# Altium PCB HYDRA_V3_LINK_V2.PcbDoc (part 1 of 2)
Units mm, origin at the board's own origin, x right, y up, seen from the top; angles counter-clockwise.
Board outline 50 x 45 mm, 6 copper layers (Top Layer, GND_1, SIG, PWR, GND_2, Bottom Layer), stack 0.816 mm thick; 161 components, 98 nets, 576 pads, 136 vias.
Unrouted connection lines stored in the file: 1.
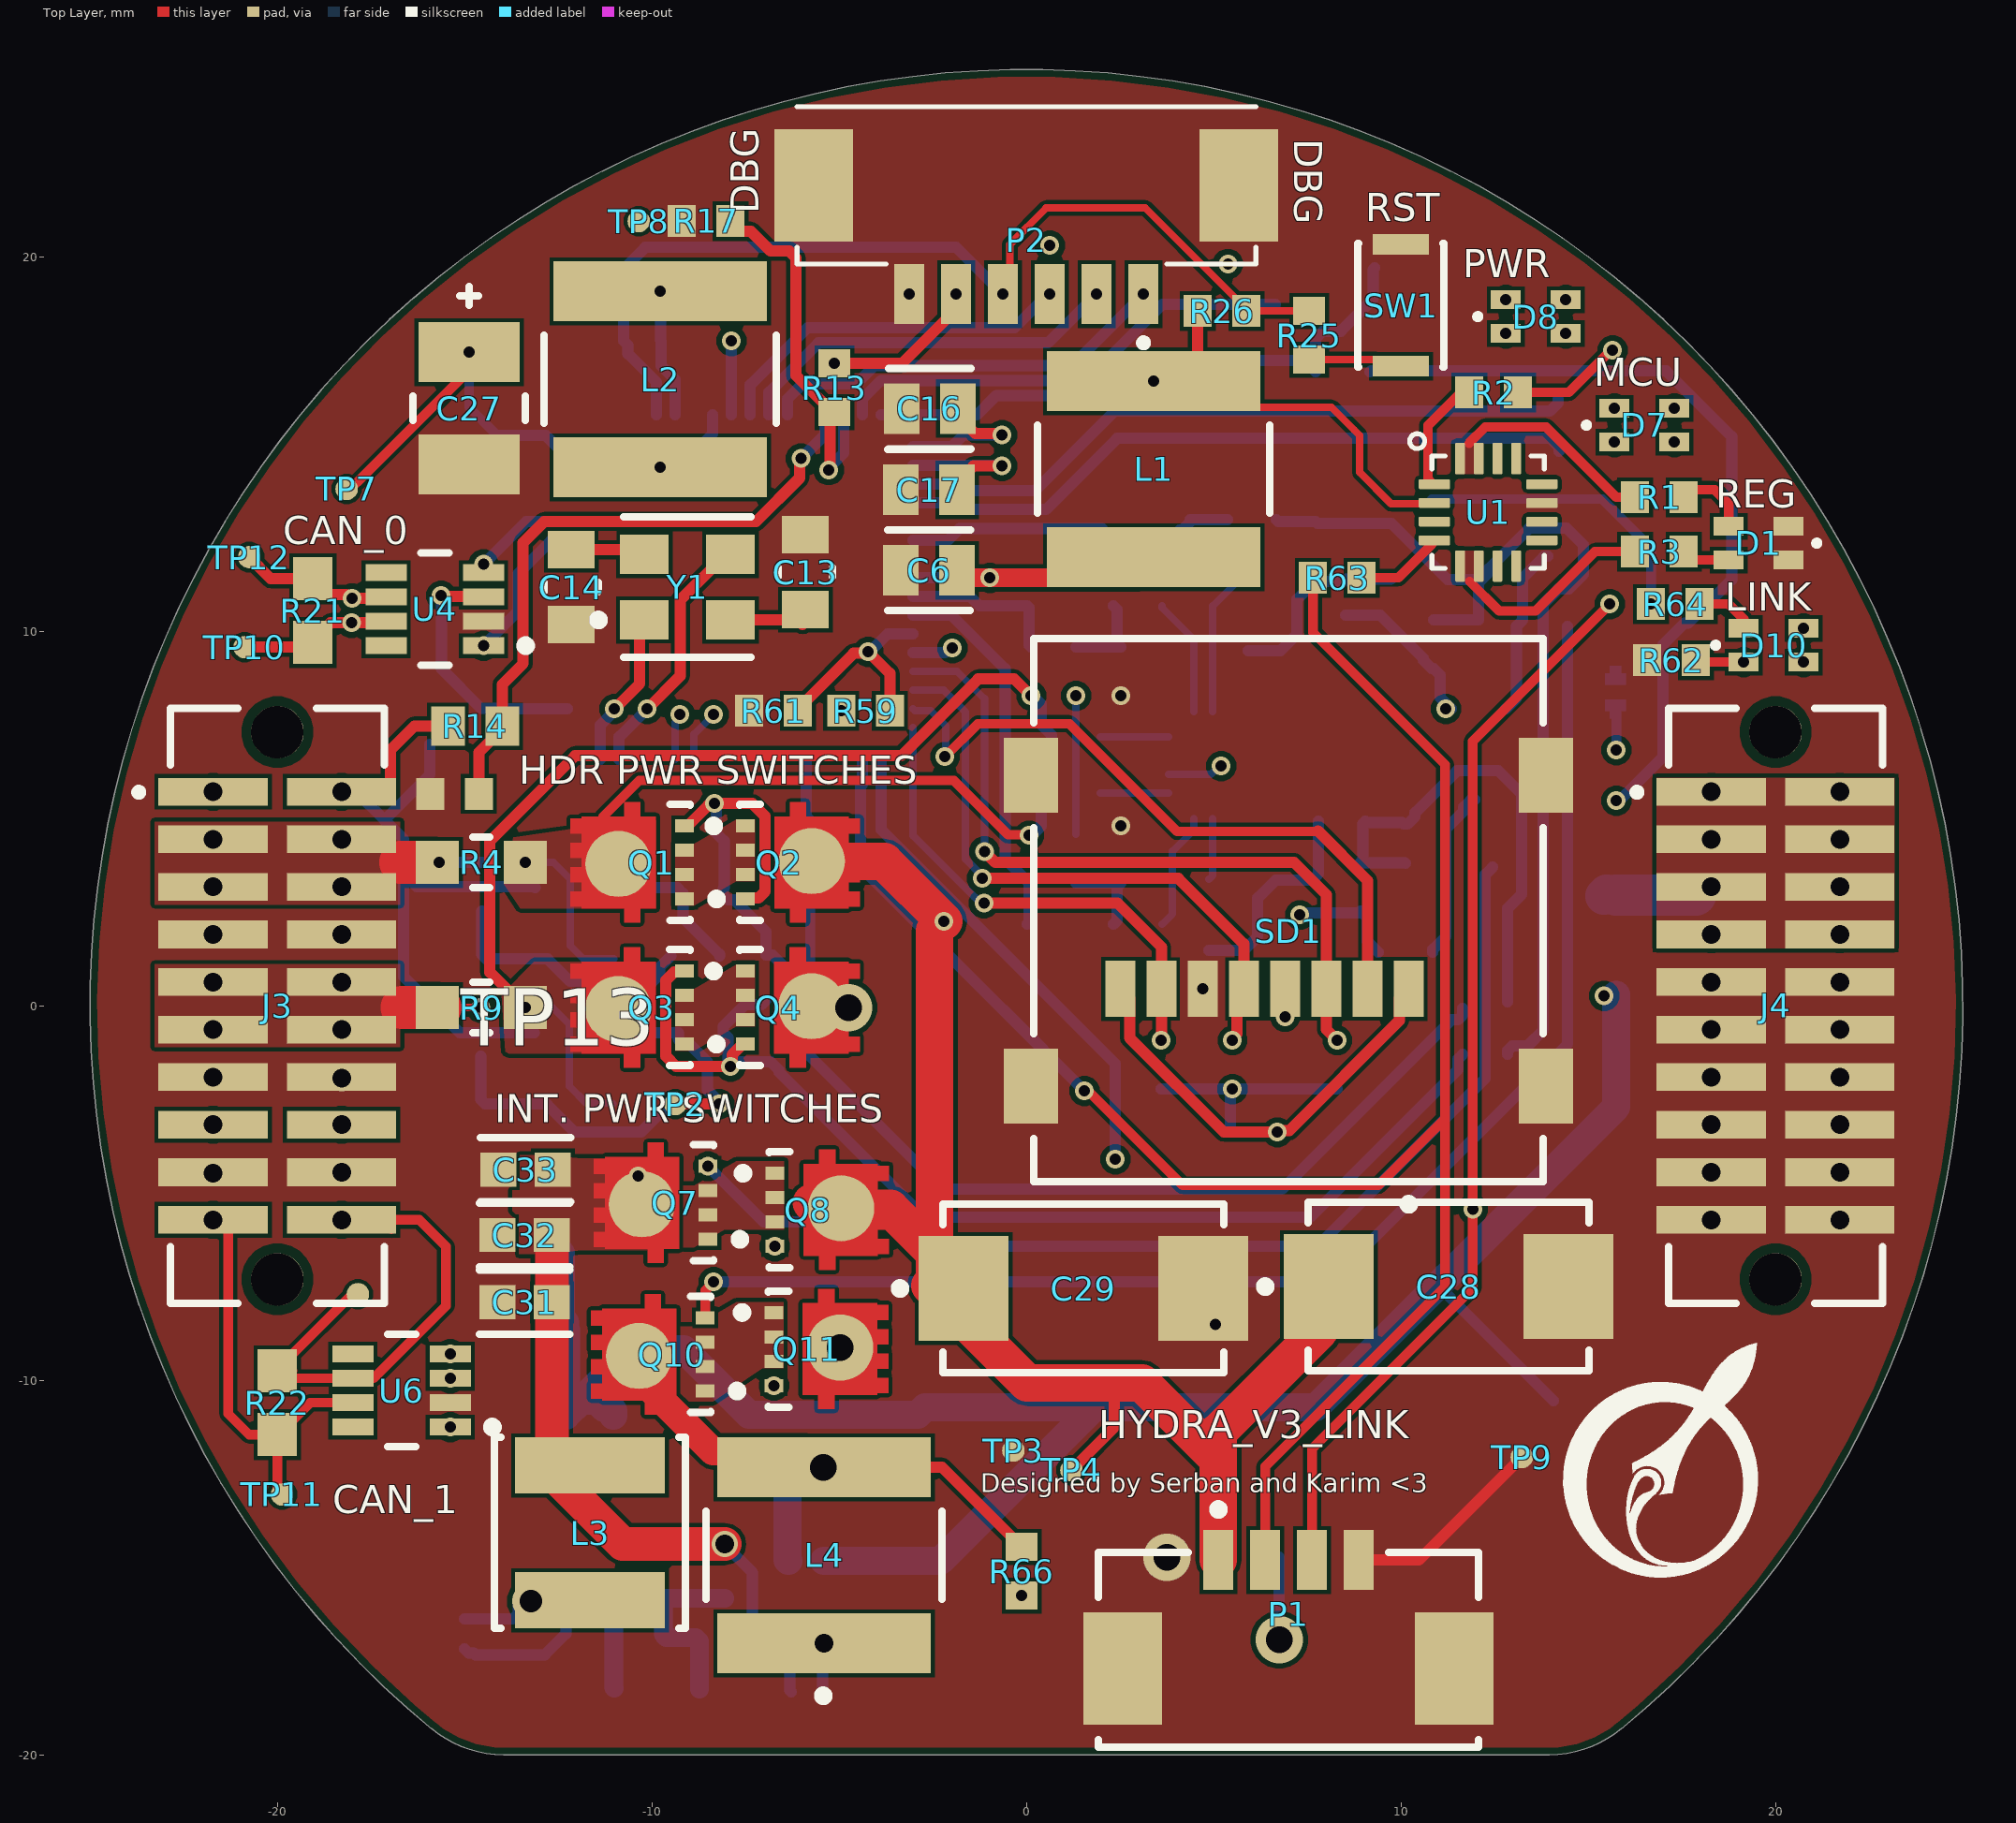
[diagram p0: Top Layer view]
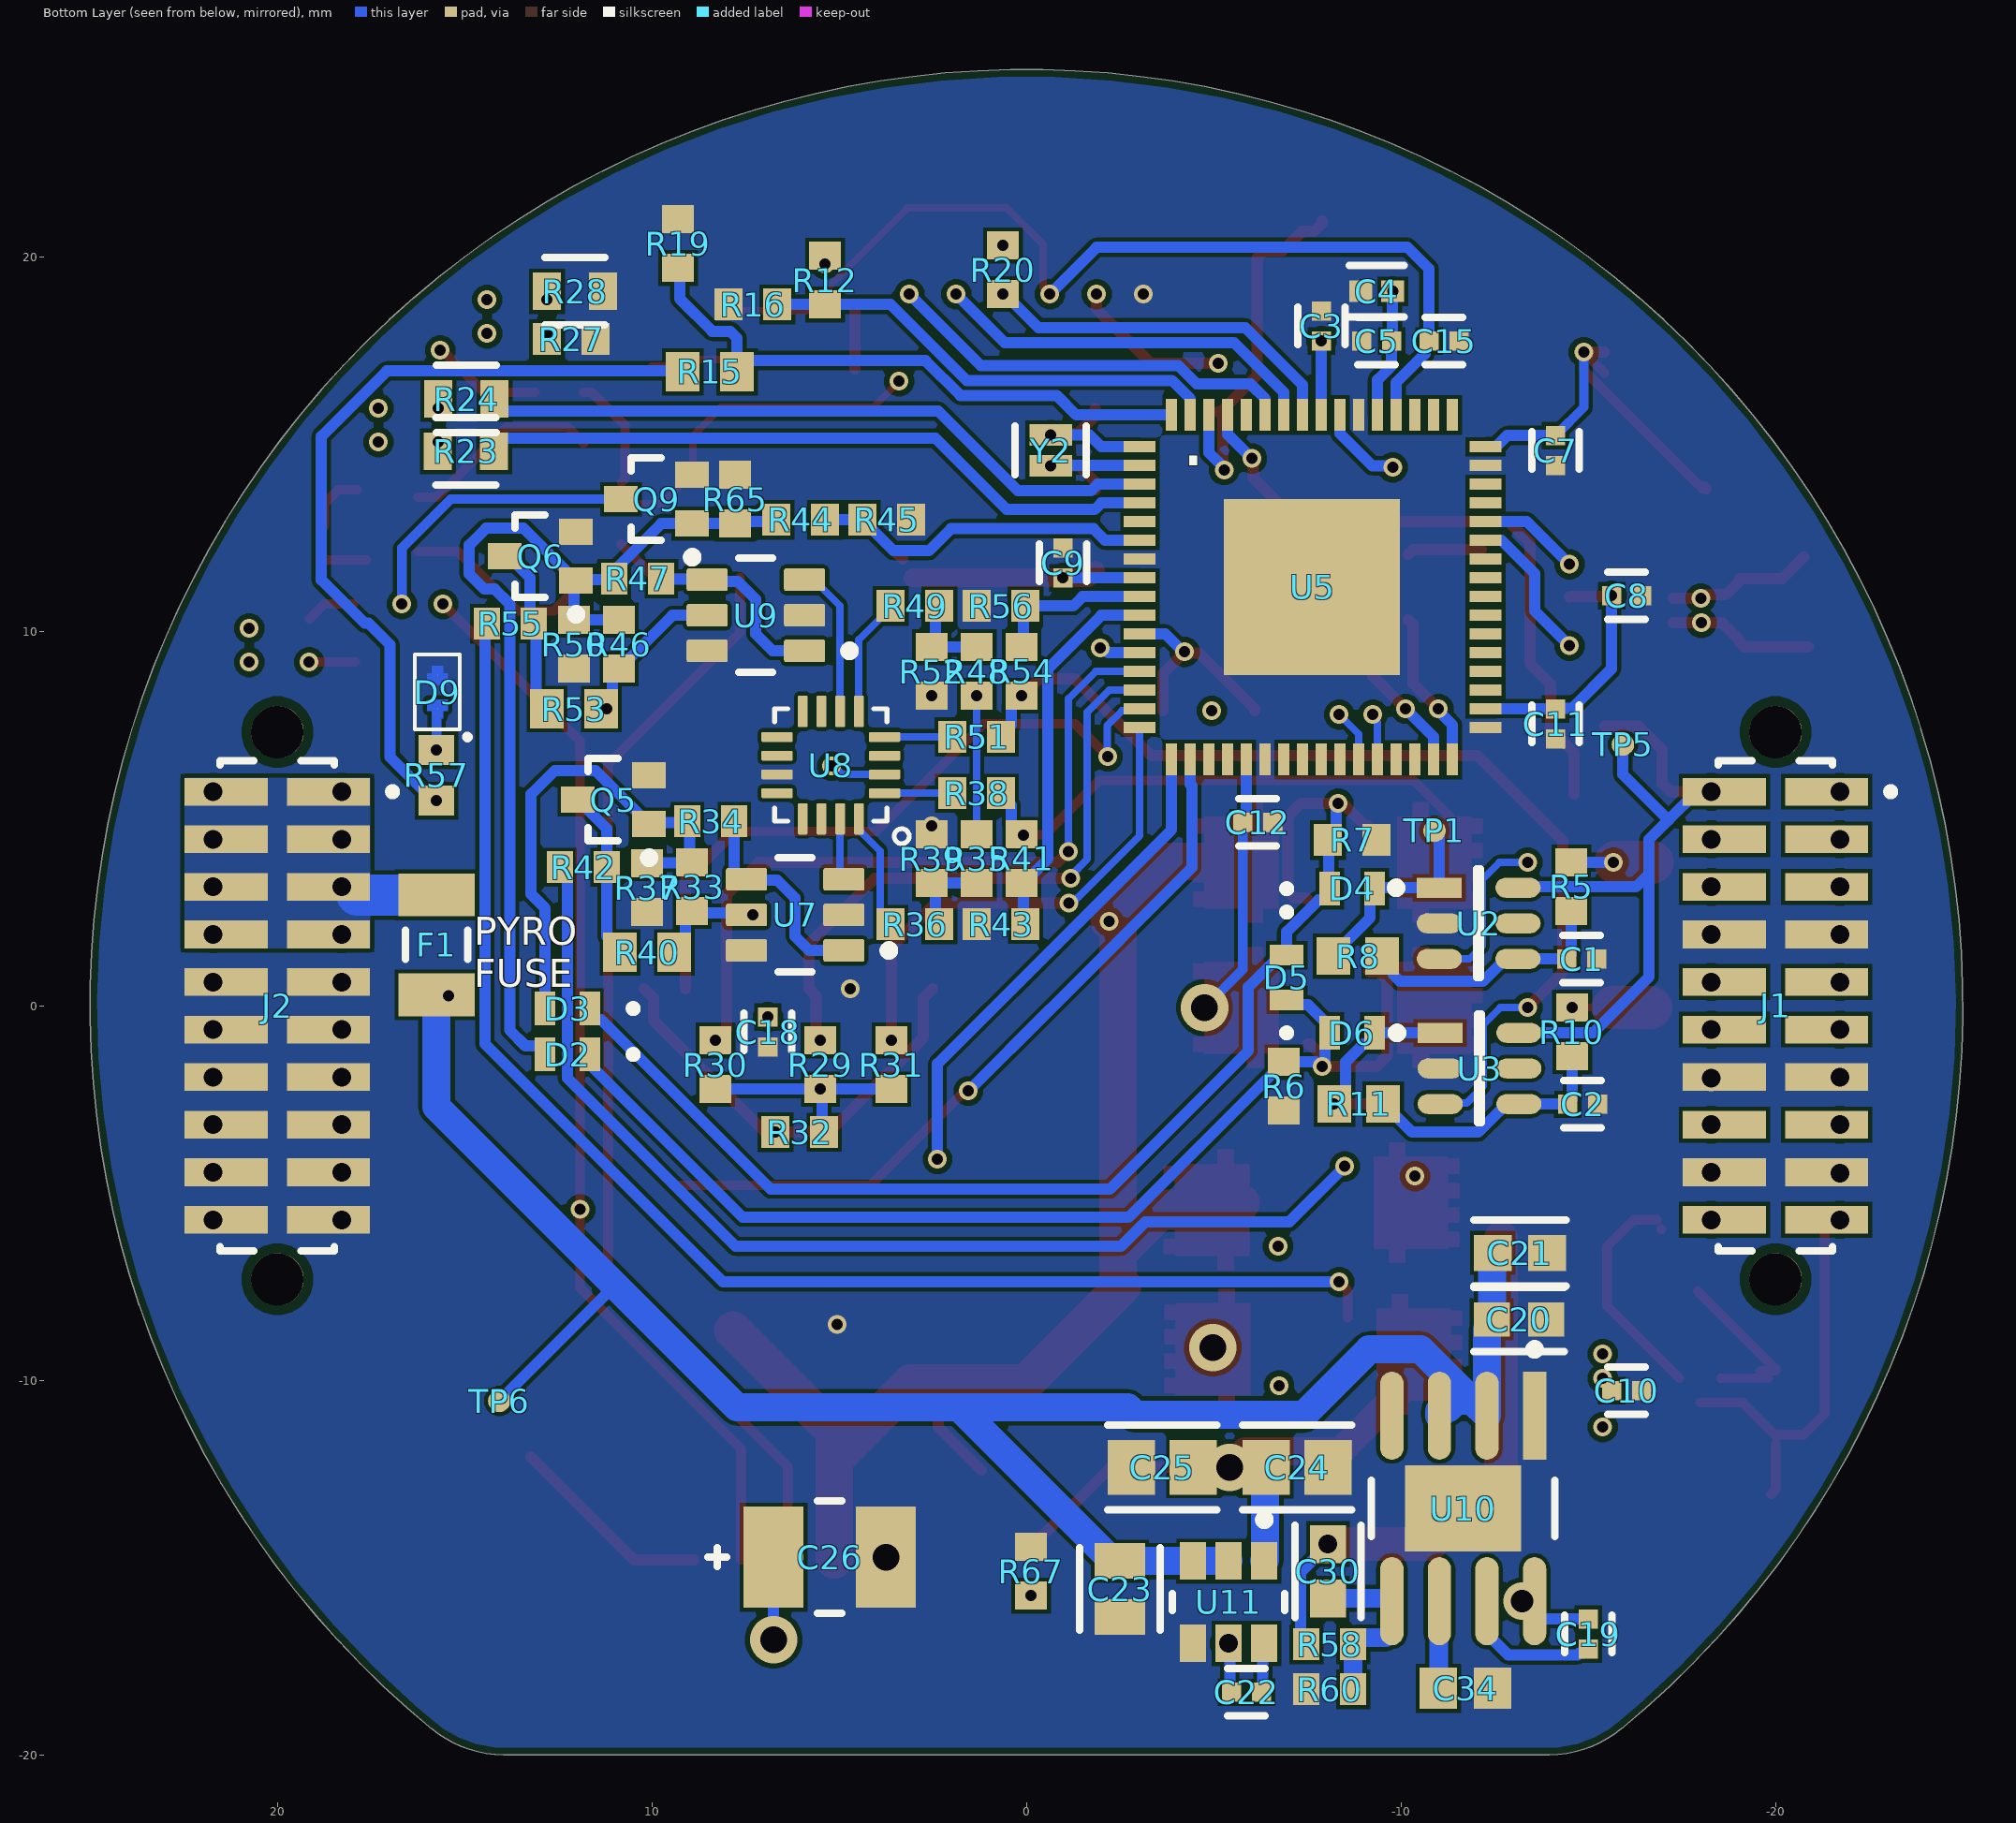
[diagram p1: Bottom Layer view, seen from below]
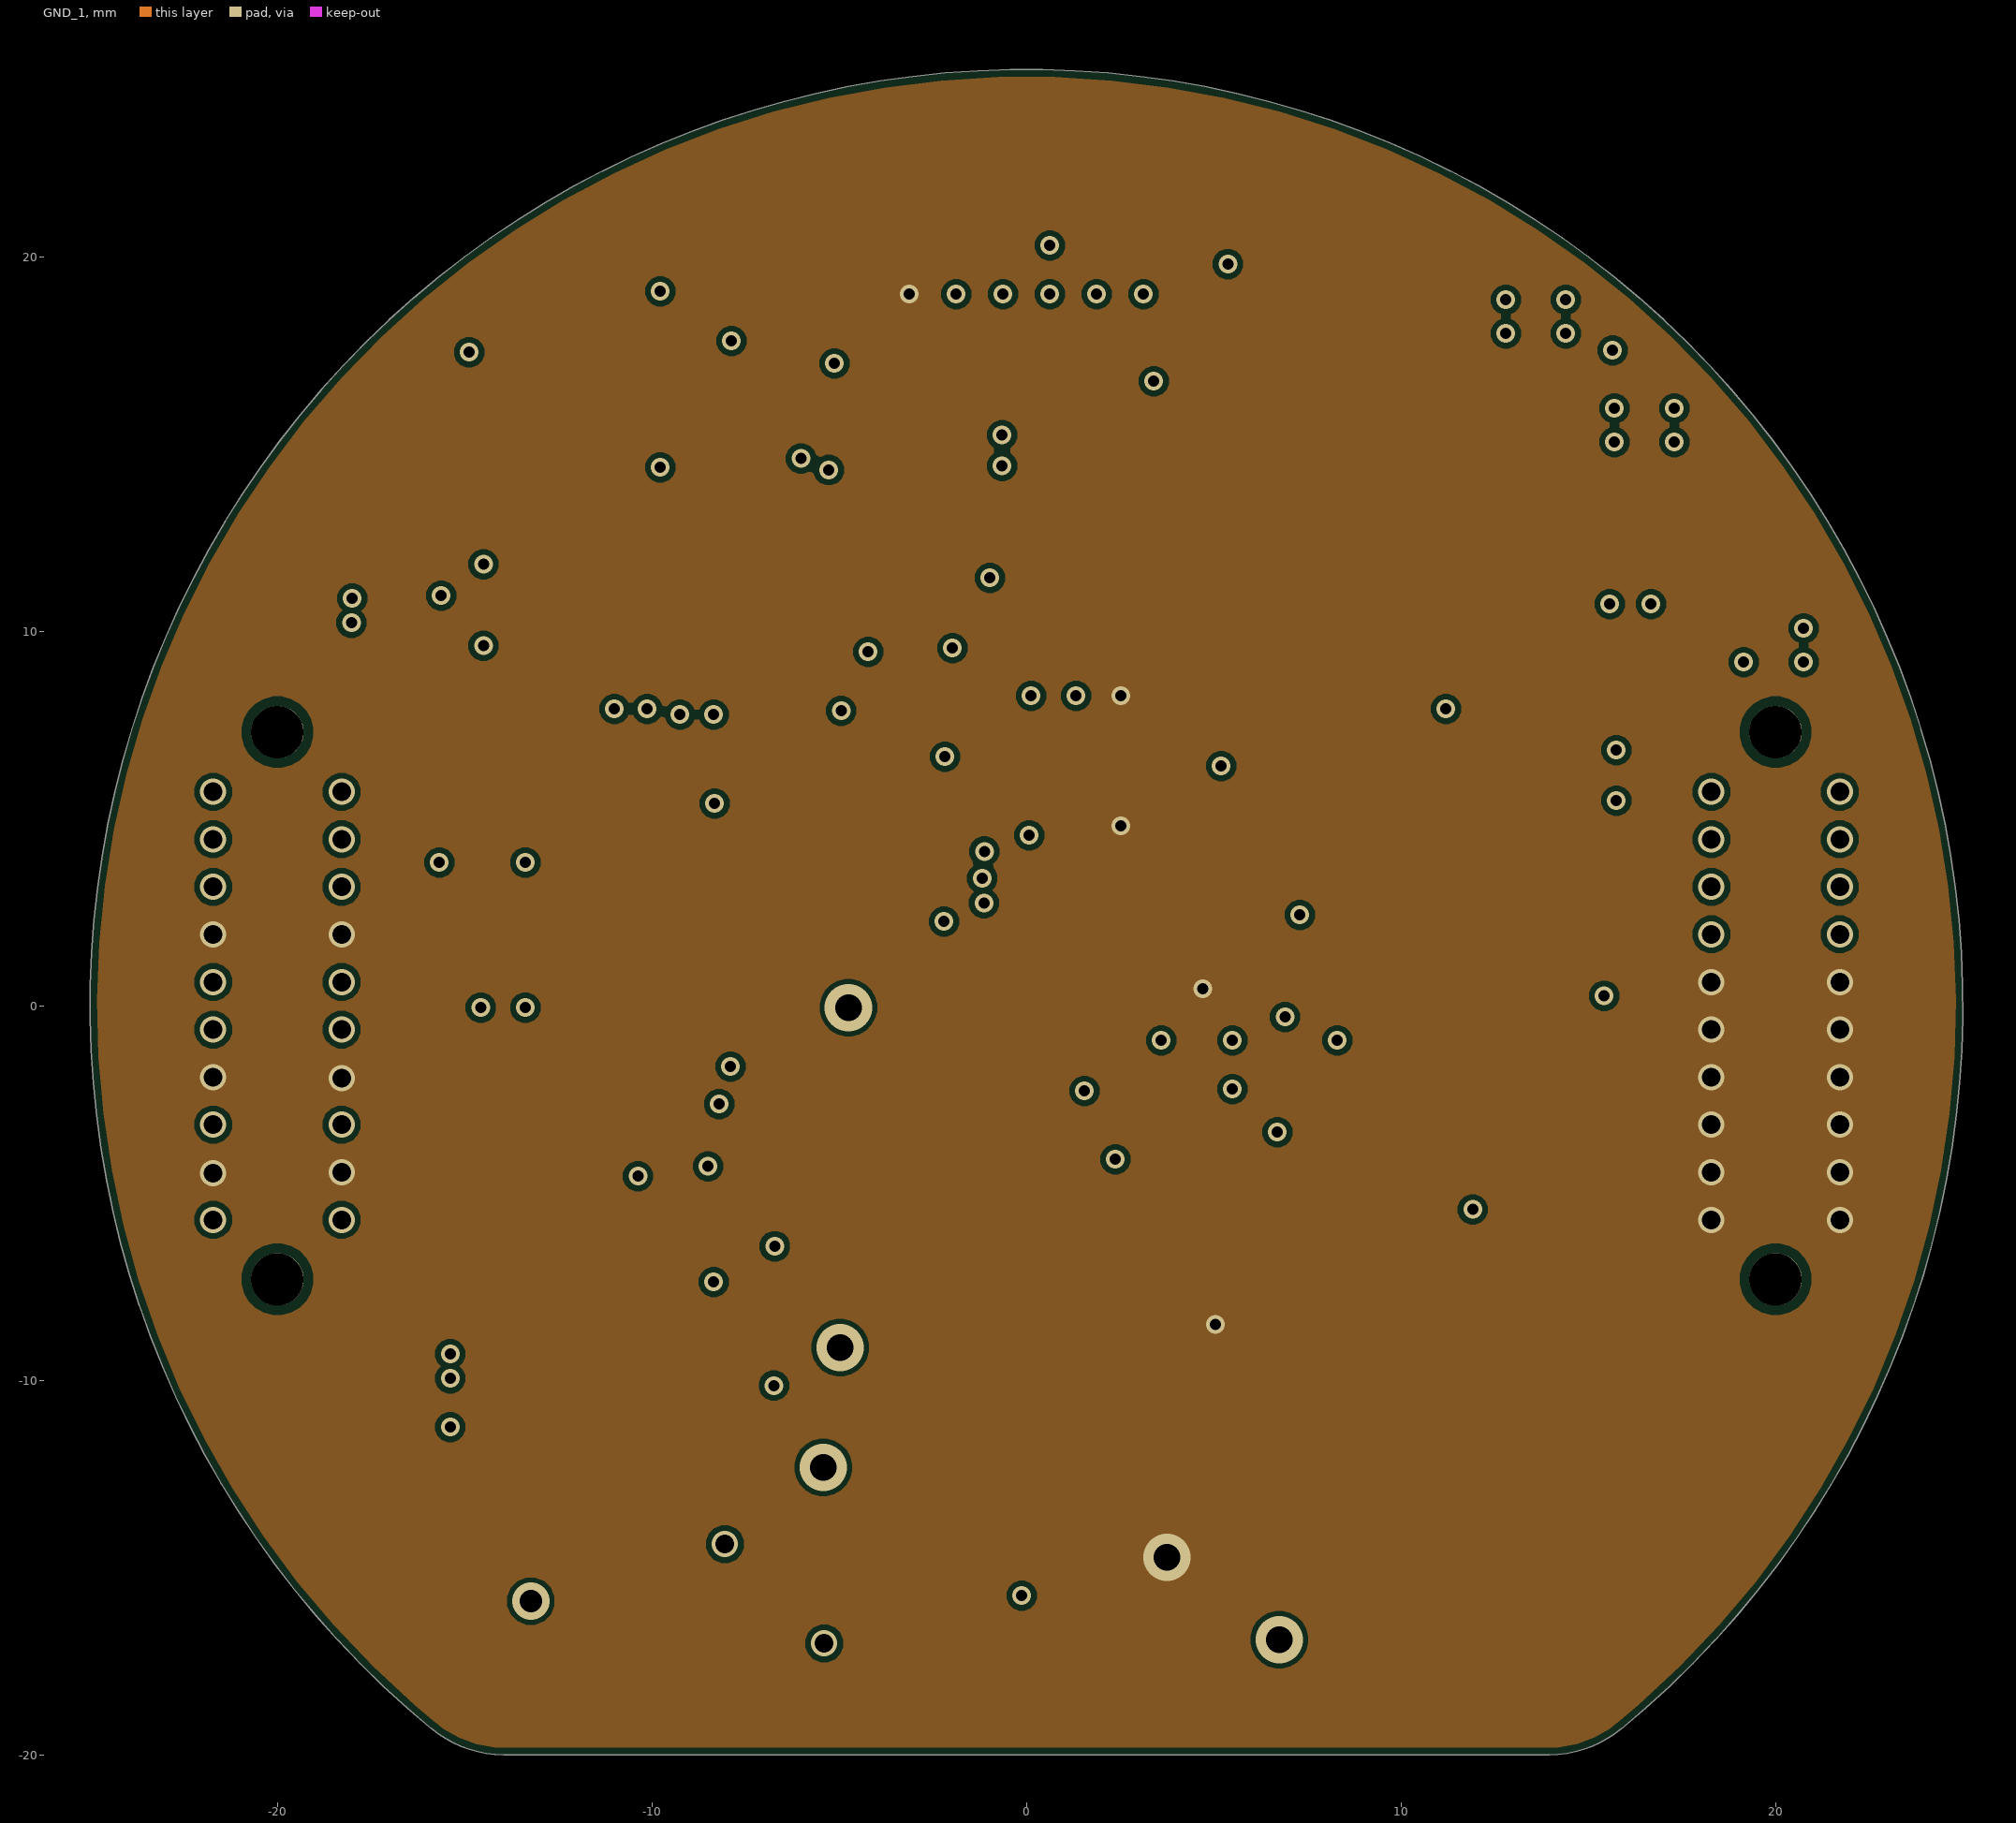
[diagram p2: GND_1]